# Altium PCB PCB2.PcbDoc (part 1 of 2)
Units mil, origin at the board's own origin, x right, y up, seen from the top; angles counter-clockwise.
Board outline 5110.83 x 3120.03 mil, 2 copper layers (Top Layer, Bottom Layer); 103 components, 47 nets, 239 pads, 142 vias.
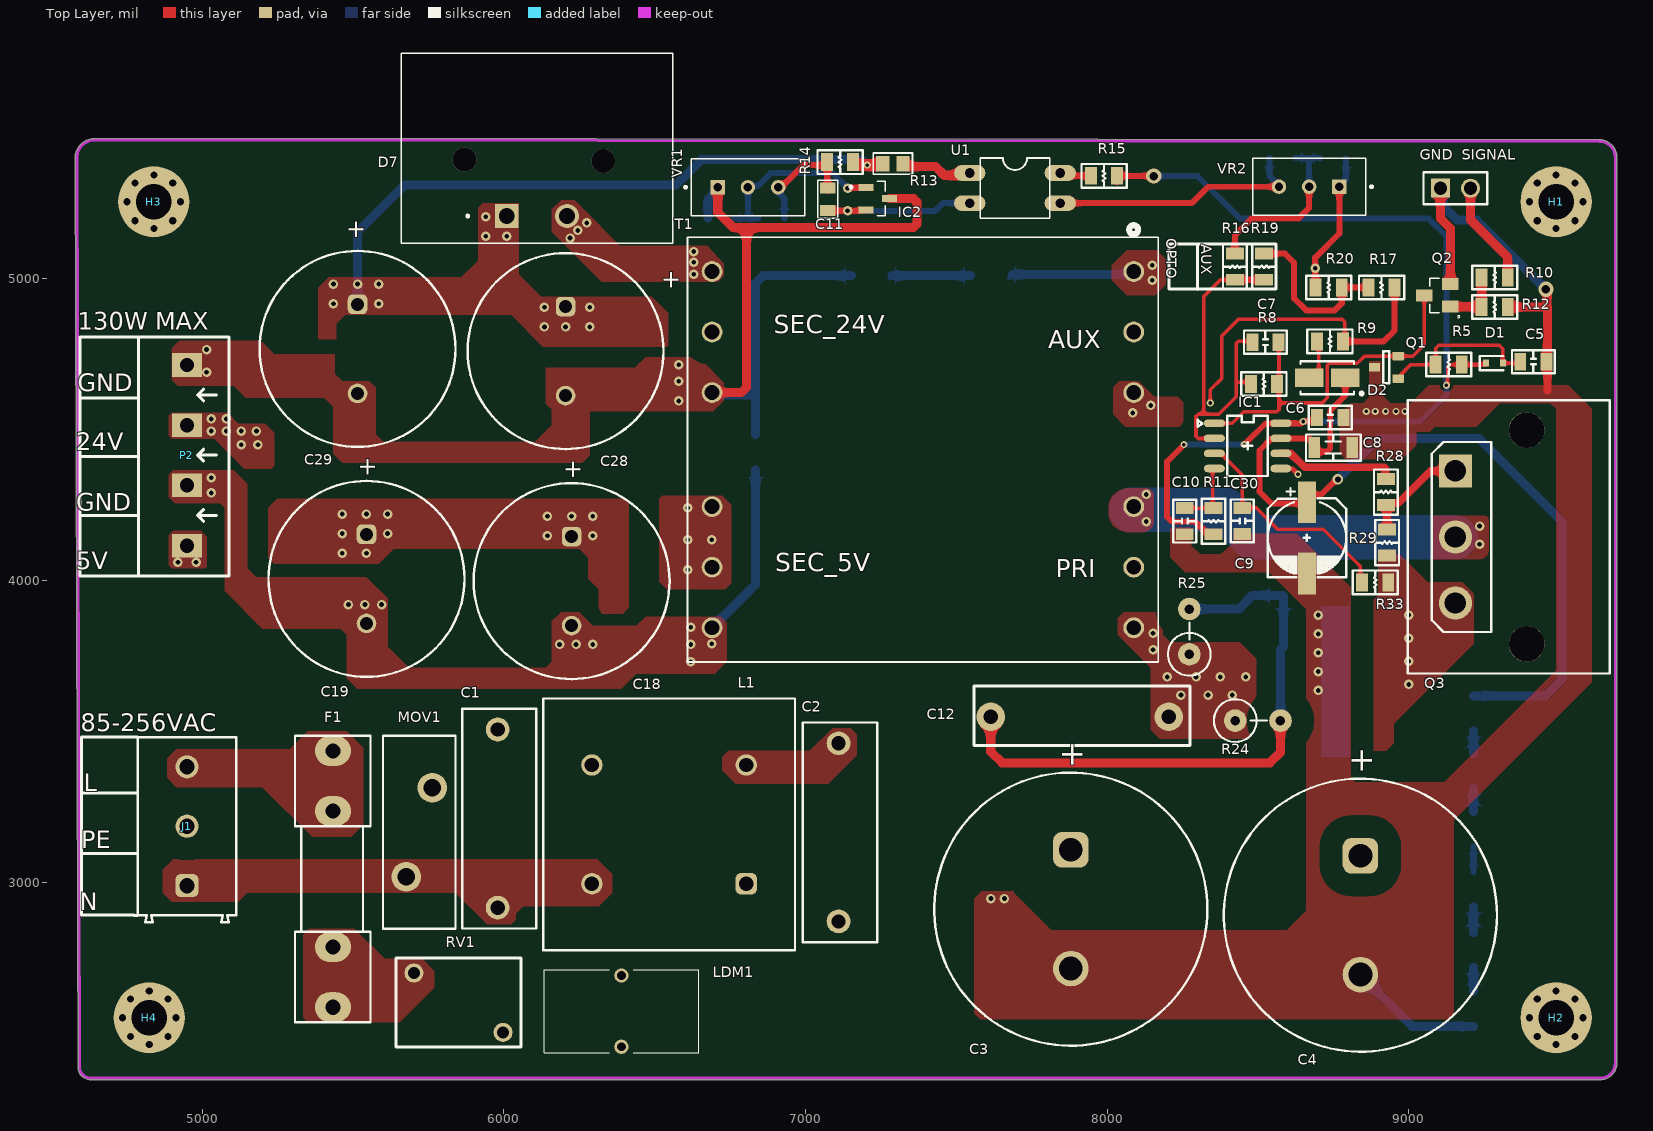
[diagram p0: Top Layer view]
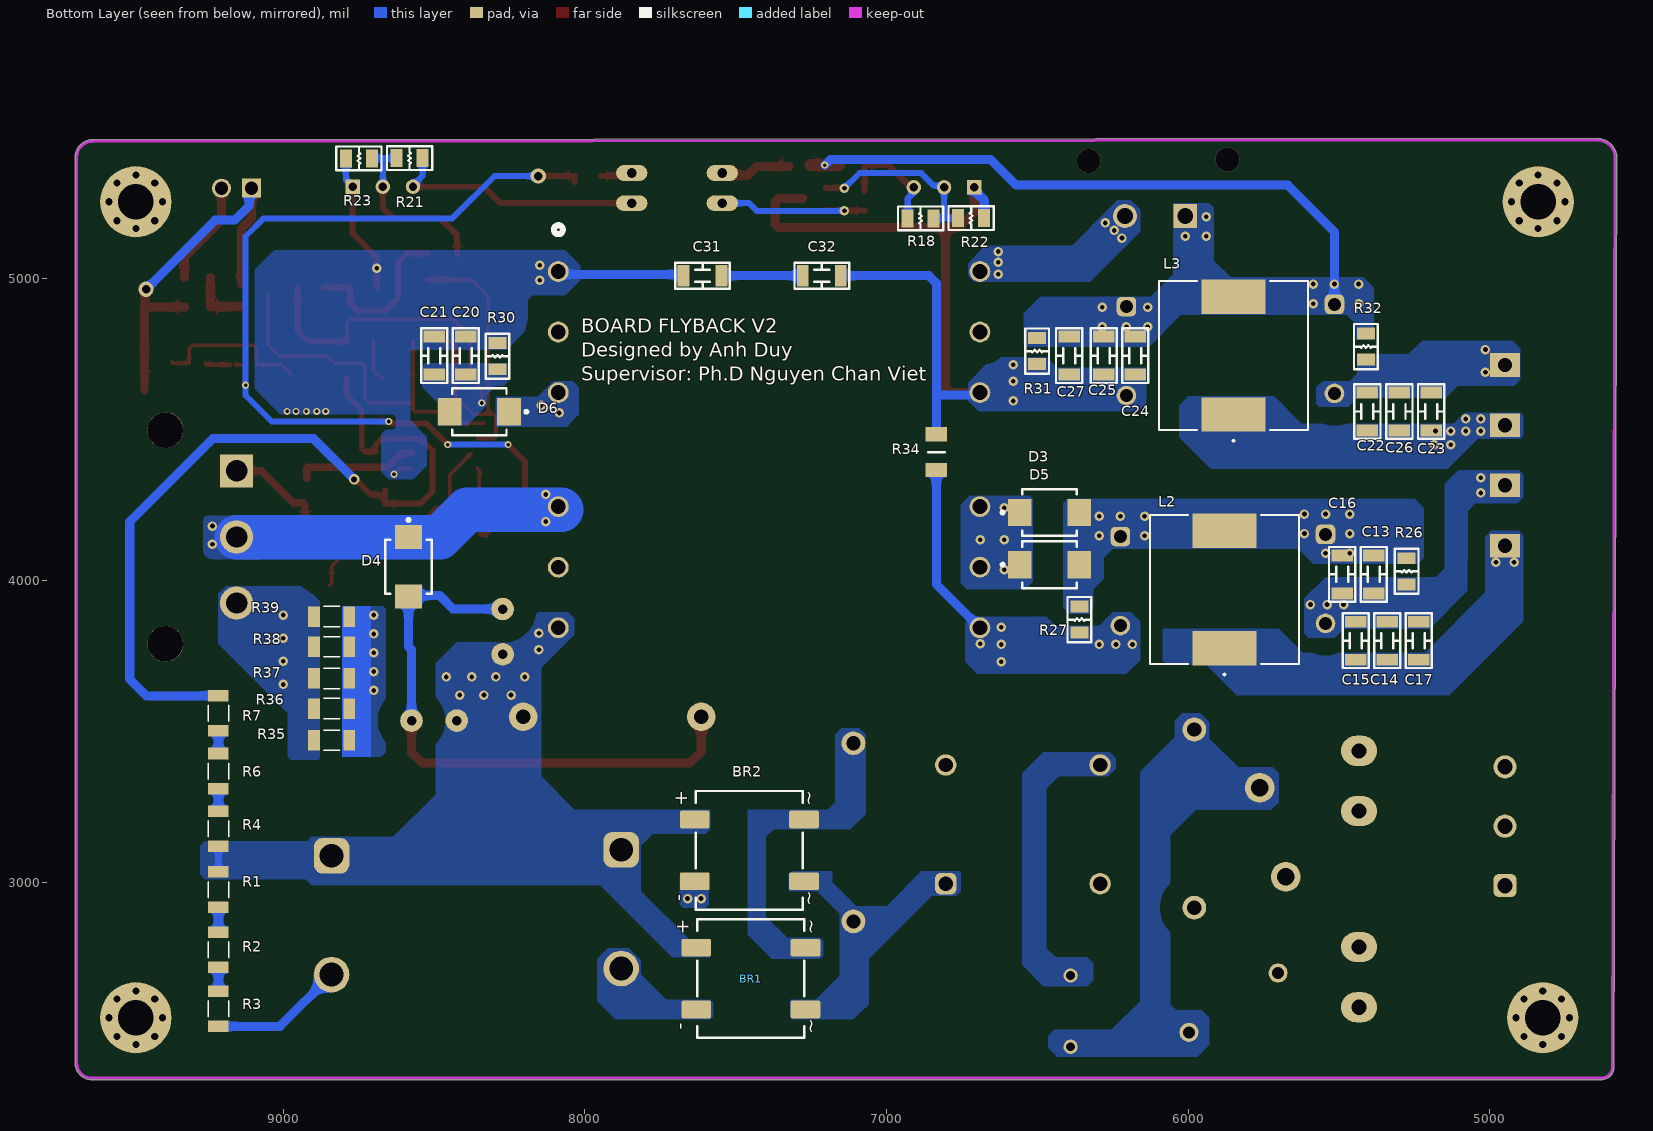
[diagram p1: Bottom Layer view, seen from below]
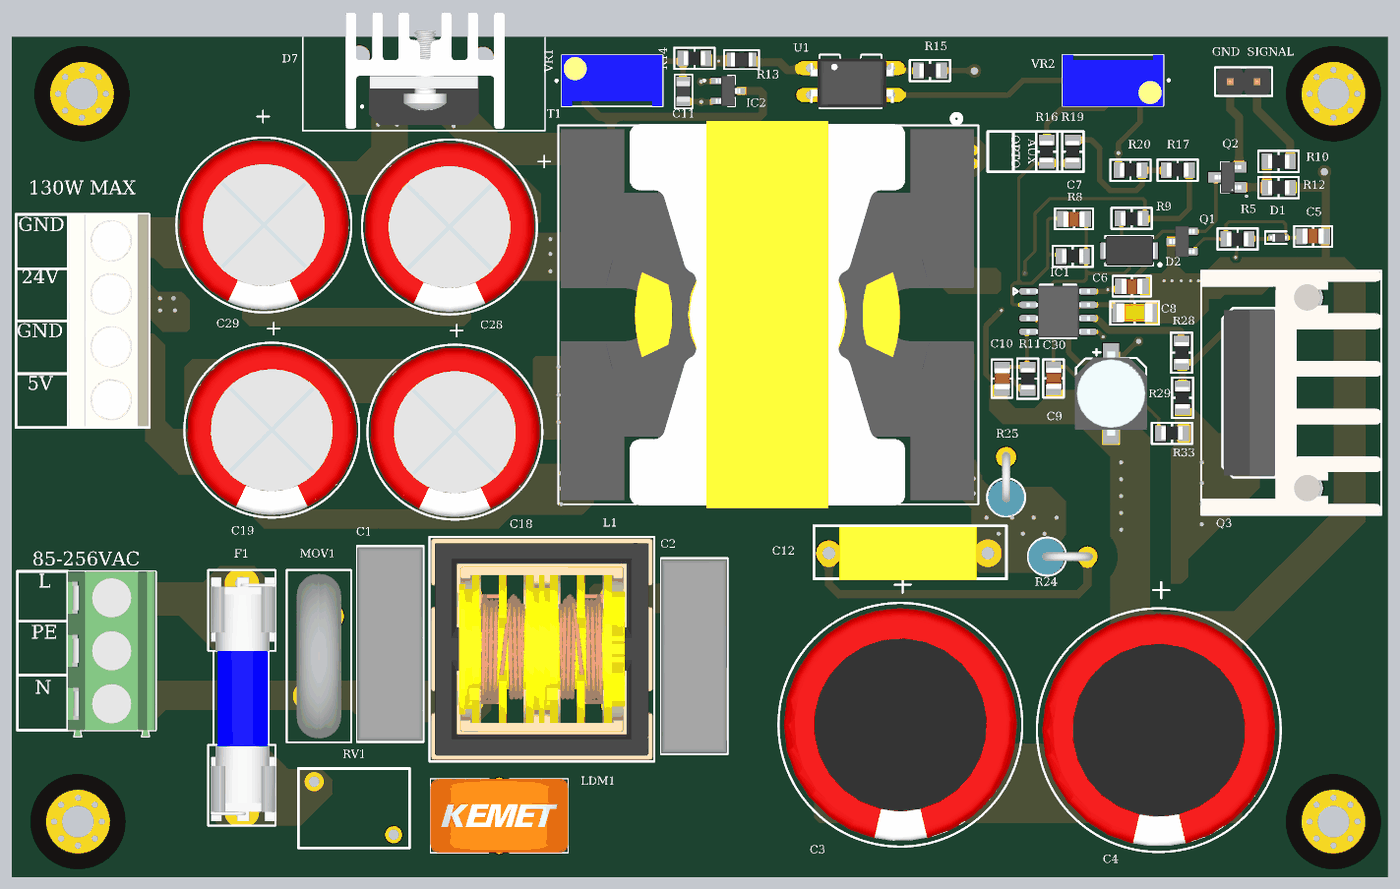
[diagram p3: 3D render of the assembled board from above, using the file's embedded part models]
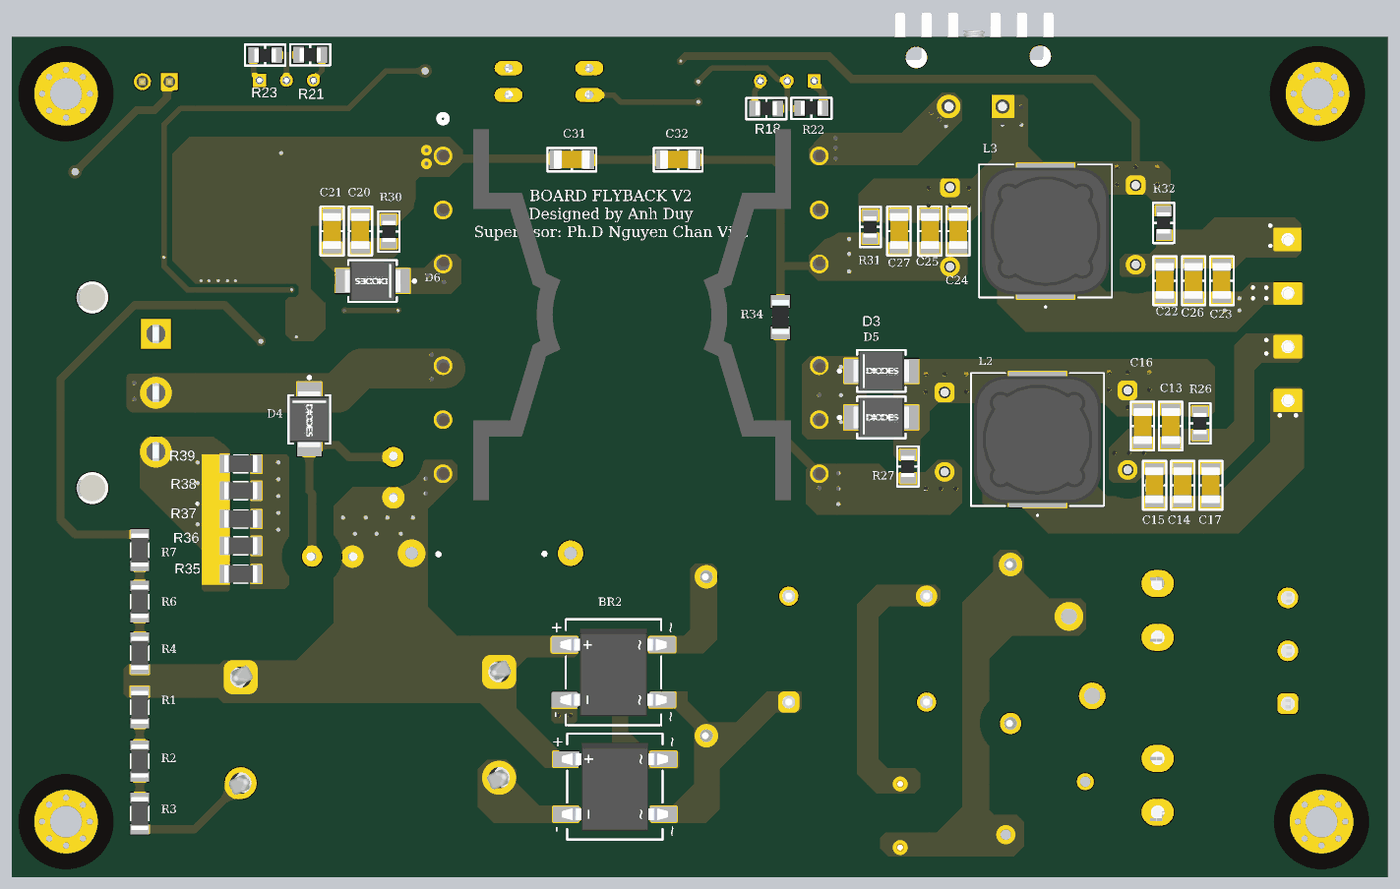
[diagram p4: 3D render of the assembled board from below, using the file's embedded part models]

## Layer stack, top to bottom
Top Solder: solder mask 0.4, Solder Resist, Dk 3.5
Top Layer: signal copper 1.4
Dielectric 1: dielectric 12.6, FR-4, Dk 4.8
Bottom Layer: signal copper 1.4
Bottom Solder: solder mask 0.4, Solder Resist, Dk 3.5

## Board outline
4588.97,2385.84 ccw(c4629.84,2385.86) 4629.84,2344.99 9635,2344.98 9635.06,2344.98 ccw(c9635,2400) 9690.02,2400 9690.01,2400.05 9690.01,5401.73 9690.07,5402.5 ccw(c9632.5,5402.5) 9646.16,5458.43 9642.5,5460.02 9634.94,5460.02 9631.8,5460.03 4645.01,5465.02 ccw(c4645,5399.26) 4579.25,5399.26 4579.95,5396.7

## Design rules (kind name [scope] priority, off if disabled: settings)
Clearance Clearance_1 [InNamedPolygon('NONET_L01_P-001')] p1: gap=10 ignorepadtopadclearanceinfootprint=FALSE except(74.8: THPad-Fill THPad-Poly THPad-Region)
Clearance [All] p2: gap=3 ignorepadtopadclearanceinfootprint=FALSE
ComponentClearance [All] p1: gap=10 collisioncheckmode=3 verticalgap=0 showdistances=FALSE
Height [All] p1: minheight=0 maxheight=2000 prefheight=500
PolygonConnect PolygonConnect_5 [All vs IsNamedPolygon('NONET_L01_P-001')] p1: connectstyle=Direct reliefconductorwidth=10 reliefentries=4 polygonreliefangle="90 Angle" airgapwidth=10
PolygonConnect PolygonConnect_4 [All vs IsNamedPolygon('Rshunt_1')] p2: connectstyle=Direct reliefconductorwidth=10 reliefentries=4 polygonreliefangle="90 Angle" airgapwidth=10
PolygonConnect PolygonConnect_3 [All vs IsNamedPolygon('Rshunt_1')] p3: connectstyle=Direct reliefconductorwidth=10 reliefentries=4 polygonreliefangle="90 Angle" airgapwidth=10
PolygonConnect PolygonConnect_2 [All vs IsNamedPolygon('Rshunt_1')] p4: connectstyle=Direct reliefconductorwidth=10 reliefentries=4 polygonreliefangle="90 Angle" airgapwidth=10
PolygonConnect PolygonConnect_1 [All vs IsNamedPolygon('Rshunt_1')] p5: connectstyle=Direct reliefconductorwidth=10 reliefentries=4 polygonreliefangle="90 Angle" airgapwidth=10
PolygonConnect [All] p6: connectstyle=Relief reliefconductorwidth=10 reliefentries=4 polygonreliefangle="90 Angle" airgapwidth=10
RoutingVias [All] p1: holewidth=28 width=50 viastyle="Through Hole" minholewidth=28 minwidth=50 maxholewidth=28 maxwidth=50
SolderMaskExpansion [All] p1: expansion=4 istentingtop=FALSE
Width [All] p1: maxlimit=196.85 minlimit=10 preferedwidth=10 minimp=50.000000 maximp=50.000000 favimp=50.000000
28 further rules are at their usual default settings.

## Classes and differential pairs
net class RTCT_NET: RT/CT

## Components (designator, comment, footprint, x,y, rotation, side; value= is the part's Value field where it differs from the comment)
BR1 "DBLS208GH" "DB SMD" 7450,2680 r90 bottom
BR2 "DBLS208GH" "DB SMD" 7455,3105 r90 bottom
C1 "R474I2470CKA2M" R474I2470CKA2M 5980,3505.55 r270 top
C2 "R474I2470CKA2M" R474I2470CKA2M 7110,3460 r270 top
C3 "82uF" WCAP-AI3H_D22H30 7880,2910 r90 top
C4 "82uF" WCAP-AI3H_D22H30 8840,2890 r90 top
C5 "GRM219R7YA105KA12D" "CAP 0805" 9413.31,4725 r0 top value="0805 1uF 35V"
C6 "CL21B104KBCNNNC" "CAP 0805" 8740,4540 r180 top value="0805 0.1uF 50V"
C7 "GRM2195C1H103JA01D" "CAP 0805" 8525,4790 r180 top value="0805 10nF"
C8 "C3216X7R1H475M160AC" "Cap 1206" 8750,4440.42 r0 top value="1206 4.7uF 50V"
C9 "EEE-FK1H470XL" C-50-47uf_alu 8662.6,4129.72 r0 top value="50V 47uF_6.3pi/smd"
C10 "GCM216R71H102KA37D" "CAP 0805" 8257.33,4196.26 r270 top value="0805 10nF"
C11 "10nF 0805" CAP_0805 7075,5262.49 r270 top value="8.2 uF, 50 VDC"
C12 "CBB22-334" "Cap 1600v" 7614.45,3547.58 r0 top
C13 "C3216X7R1H475M160AC" "Cap 1206" 5385.5,4020 r270 bottom value="1206 10uF 50V"
C14 "C3216X7R1H475M160AC" "CAP 1206" 5340.5,3800 r90 bottom value="1206 10uF 50V"
C15 "C3216X7R1H475M160AC" "CAP 1206" 5445,3800 r90 bottom value="1206 10uF 50V"
C16 "C3216X7R1H475M160AC" "Cap 1206" 5490,4020 r270 bottom value="1206 10uF 50V"
C17 "C3216X7R1H475M160AC" "Cap 1206" 5236,3800 r90 bottom value="1206 10uF 50V"
C18 "2700uF" WCAP-ATG8_D16H25 6225,3997.64 r90 top
C19 "2700uF" WCAP-ATG8_D16H25 5545,4005 r90 top
C20 "C3216X7R1H475M160AC" "Cap 1206" 8395,4745 r90 bottom value="1206 4.7uF 50V"
C21 "C3216X7R1H475M160AC" "Cap 1206" 8500,4745 r90 bottom value="1206 4.7uF 50V"
C22 "C3216X7R1H475M160AC" "CAP 1206" 5406.25,4560 r90 bottom value="1206 10uF 50V"
C23 "C3216X7R1H475M160AC" "CAP 1206" 5195,4560 r90 bottom value="1206 10uF 50V"
C24 "C3216X7R1H475M160AC" "Cap 1206" 6175.5,4745 r270 bottom value="1206 10uF 50V"
C25 "C3216X7R1H475M160AC" "Cap 1206" 6280,4745 r270 bottom value="1206 10uF 50V"
C26 "C3216X7R1H475M160AC" "Cap 1206" 5300,4560 r90 bottom value="1206 10uF 50V"
C27 "C3216X7R1H475M160AC" "CAP 1206" 6395,4745 r270 bottom value="1206 10uF 50V"
C28 "2700uF" WCAP-ATG8_D16H25 6205,4760 r90 top
C29 "2700uF" WCAP-ATG8_D16H25 5515.38,4767.36 r90 top
C30 "C0805C101J5RACTU" "CAP 0805" 8448.61,4197.12 r270 top
C31 "CC1206KKX7RCBB222" "Cap 1206" 7610,5010 r180 bottom value="1206 2.2nF 1kV"
C32 "CC1206KKX7RCBB222" "Cap 1206" 7215,5010 r180 bottom value="1206 2.2nF 1kV"
D1 "PMEG3010EB,115" "SOD 523" 9284.47,4720.29 r90 top
D2 "1 A , 1.3V" "SMA (DO-214AC)" 8730,4671.72 r180 top
D3 "S3MB-13-F" "DIODE 1kV 3A" 6460,4225 r180 bottom value=40pF
D4 "S3MB-13-F" "DIODE 1KV 3A" 8585,4045 r270 bottom value=40pF
D5 "S3MB-13-F" "DIODE 1KV 3A" 6460,4052 r180 bottom value=40pF
D6 "S3MB-13-F" "DIODE 1KV 3A" 8350,4559.01 r0 bottom value=40pF
D7 "STPSC10H065D" TO508P1016X470X2286-2 6110,5207.77 r0 top
F1 "FUSE" FUSE 5433.59,3010 r270 top
"GND  SIGNAL" "61300211121" 61300211121 9155,5300 r0 top (schematic designator P1)
H1 "Mounting Hole 3mm" "3mm with via" 9488.79,5255 r0 top
H2 "Mounting Hole 3mm" "3mm with via" 9488.79,2550 r0 top
H3 "Mounting Hole 3mm" "3mm with via" 4840,5255 r0 top
H4 "Mounting Hole 3mm" "3mm with via" 4825,2550 r0 top
IC1 "UC3843AD8TR" UC3843_SOIC8 8465.75,4445.7 r0 top
IC2 "KA431AZBU" SOT23-3 7240,5265.41 r0 top
J1 "16A, 300V" 691213710003 4950,3185 r90 top
L1 "10mH" WE-FC_ET20H 6548.08,3191.15 r180 top
L2 "22uH 6.7A" IND_CDRH127/LDNP-470MC_SUM 5880,3970 r90 bottom
L3 "22uH 6.7A" IND_CDRH127/LDNP-470MC_SUM 5850,4745 r90 bottom
LDM1 "SN5-300" SN5300 6390,2453.78 r0 top
MOV1 "MOV-14D751K" B72214S2271K101 5720,3165 r270 top
P2 "Domino 4" "DOMINO 4 -5mm" 4950,4115 r90 top
Q1 "MMBT2907A" "SOT 23 3" 8926.1,4706.1 r90 top
Q2 "MMBT2222A" MMBT-SOT23 9095,4945 r90 top
Q3 "SIHG11N80AE-GE3" "N-CH MOSFET 1K2V" 9155,4143.9 r270 top
R1 "330K 1206" RESC3116X65N 9215,2975 r90 bottom
R2 "330k 1206" RESC3116X65N 9215,2775 r90 bottom
R3 "330k 1206" RESC3116X65N 9215,2580 r90 bottom
R4 "330K 1206" RESC3116X65N 9215,3176.39 r270 bottom
R5 "RC0805FR-0733KL" "RES 0805" 9132.59,4711.54 r180 top value="0805 33k"
R6 "330K 1206" RESC3116X65N 9215,3367.78 r270 bottom
R7 "330K 1206" RESC3116X65N 9215,3559.16 r90 bottom
R8 "RC0805FR-1310KL" "RES 0805" 8520,4655 r0 top value="0805 10k"
R9 "RC0805FR-0722RP" "RES 0805" 8739.01,4788.18 r180 top value="0805 22R"
R10 "RC0805FR-1312KL" "Res 0805" 9285,5000 r180 top value="0805 2.7k"
R11 "RC0805FR-1312KL" "RES 0805" 8356.91,4196.3 r270 top value="0805 2.7k"
R12 "RC0805FR-1312KL" "Res 0805" 9285,4910 r0 top value="0805 2.7k"
R13 "2K Ohm 0805" RESISTOR_0805 7290,5381.76 r180 top value="4.53 KOhm, 1/8W"
R14 "RK73B2ATTD104J" "Res 0805" 7115,5390.58 r0 top value="0805 10k"
R15 "RK73B2ATTD104J" "Res 0805" 7990,5345 r0 top value="0805 10k"
R16 "RC0805FR-1310KL" "RES 0805" 8420,5040 r90 top value="0805 0k"
R17 "RC0805FR-1310KL" "RES 0805" 8910,4975 r0 top value="0805 33k"
R18 "RK73B2ATTD104J" "Res 0805" 6887.49,5203.94 r180 bottom value="0805 10k"
R19 "RC0805FR-1310KL" "RES 0805" 8516.62,5040 r90 top value="0805 0k"
R20 "RC0805FR-1310KL" "RES 0805" 8735,4975 r0 top value="0805 12k"
R21 "RK73B2ATTD104J" "Res 0805" 8581.69,5396.06 r0 bottom value="0805 10k"
R22 "RK73B2ATTD104J" "Res 0805" 6720,5205 r180 bottom value="0805 10k"
R23 "RK73B2ATTD104J" "Res 0805" 8749.18,5395 r0 bottom value="0805 10k"
R24 "Res" RES-1WD 8490,3535 r0 top
R25 "Res" RES-1WD 8272.77,3820 r90 top
R26 "RC0805FR-1310KL" "RES 0805" 5280,4030 r90 bottom value="0805 10k"
R27 "RC0805FR-1310KL" "RES 0805" 6365,3870 r90 bottom value="0805 10k"
R28 "RC0805FR-0722RP" "RES 0805" 8928.35,4292.75 r270 top value="0805 22R"
R29 "RC0805FR-1310KL" "RES 0805" 8924.41,4125.26 r90 top value="0805 10k"
R30 "RC0805FR-1310KL" "RES 0805" 8286.06,4743.31 r270 bottom value="0805 10k"
R31 "RC0805FR-1310KL" "RES 0805" 6505,4760 r90 bottom value="0805 10k"
R32 "RC0805FR-1310KL" "RES 0805" 5415,4775 r90 bottom value="0805 10k"
R33 "RC0805FR-07470RP" "RES 0805" 8888.98,3997.14 r0 top value="0805 470R"
R34 "RES_1206_0R" "RES 1206" 6835,4425 r270 bottom value="1206 0R"
R35 "RC1206JR-0713RL" RESC3116X65N 8840,3470 r0 bottom
R36 "RC1206JR-0713RL" RESC3116X65N 8840,3575 r0 bottom
R37 "RC1206JR-0713RL" RESC3116X65N 8840,3675 r0 bottom
R38 "RC1206JR-0713RL" RESC3116X65N 8840,3780 r0 bottom
R39 "RC1206JR-0713RL" RESC3116X65N 8840,3880 r0 bottom
RV1 "NTC20D-9" NTC20D9 5850,2600 r0 top
T1 "PQ35" CPV-PQ3535-1S-12P-Z_FXC 8088.4,5024.04 r270 top
U1 "PC817" PC817 7679.85,5280.49 r270 top
VR1 "3296W-1-250" TRIM_3296W-1-250 6809.56,5303.2 r0 top
VR2 "3296W-1-250" TRIM_3296W-1-250 8670,5305 r180 top

## Footprints (in the part's own frame and the unit in brackets; to place one, negate y for a bottom-side part, rotate by r counter-clockwise, add the part's x,y. Pads: shape width x height; smd on the part's side, far side on the other; paste and mask are expansions set on the pad)
"3mm with via" [mm]
  round 6 hole 3 mask+1.5: 0(0,0)
61300211121 [mm] "Pin Header, pitch 2.54 mm, THT, Vertical, single row, 2p"
  rect 1.6x1.6 hole 1.1: 1(-1.27,0)
  round 1.6 hole 1.1: 2(1.27,0)
  silkscreen extent -2.69,-1.35 2.69,1.35, body extent -2.54,-1.27 2.54,1.27, height 8.57
691213710003 [mm] "5,00mm - modular - green - Horizontal entry with rising cage clamp -  10,0mm height - 03p"
  rrect50% 1.95x1.95 hole 1.3: 1(-5,0)
  round 1.95 hole 1.3: 2(0,0) 3(5,0)
  silkscreen extent -8.1,-4.15 7.5,4.15, body extent -8.1,-4.15 7.5,4.15, height 10.05
B72214S2271K101 [mm] "430 V 6 kA Varistor 1 Circuit Through Hole Disc 14mm"
  round 2.5 hole 1.5: 1(-3.75,1.1) 2(3.75,-1.1)
  silkscreen extent -8.13,-3.05 8.13,3.05, body extent -7.75,-2.1 7.75,2.1, height 18.5
C-50-47uf_alu [mm]
  rect 1.5x3.5 smd: 1(0,3.284) 2(0,-2.716)
  silkscreen extent -3.3,-3.02 3.31,4.48, body extent -3.4,-3.69 3.4,4.26, height 7.7
"CAP 0805" [mm] "0805 (2012)"
  rect 1x1.47 smd: 1(-1.1,0) 2(1.1,0)
  silkscreen extent -1.8,-0.98 1.8,0.98, body extent -1,-0.69 1,0.76, height 1.28
"Cap 1206" [mm]
  rect 1x1.8 smd: 1(-1.6,0) 2(1.6,0)
  silkscreen extent -2.3,-1.1 2.3,1.1, body extent -1.7,-0.85 1.7,0.9, height 1.8
"CAP 1206" [mm]
  rect 1x1.8 smd: 1(-1.6,0) 2(1.6,0)
  silkscreen extent -2.3,-1.1 2.3,1.1, body extent -1.7,-0.85 1.7,0.9, height 1.8
"Cap 1600v" [mm]
  round 2.4 hole 1.2: 1(0,0) 2(15,-0.001)
  silkscreen extent -1.42,-2.41 16.76,2.59, body extent 0.97,-2.56 13.97,2.44, height 11.5
CAP_0805 [mm]
  rect 0.9x1.3 smd: 1(-0.975,-0.025) 2(0.925,-0.025)
  silkscreen extent -1.63,-0.86 1.57,0.81, body extent -1.03,-0.65 0.97,0.6, height 0.6
CPV-PQ3535-1S-12P-Z_FXC [mil]
  round 69 / inner round 60 / far side round 69 hole 49 paste-99999 mask+0: 1(0,0) 2(200.79,0) 3(401.57,0) 4(779.53,0) 5(980.31,0) 6(1181.1,0) 7(0,-1397.64) 8(200.79,-1397.64) 9(401.58,-1397.64) 10(779.53,-1397.64) 11(980.31,-1397.64) 12(1181.1,-1397.64)
  silkscreen extent -153,-1479 1295,82, body extent -130,-1470 1310,65, height 1370
"DB SMD" [mm]
  rrect20% 1.5x2.5 smd: +(2.6,4.6) -(-2.6,4.6) ~1(-2.6,-4.6) ~2(2.6,-4.6)
  silkscreen extent -5,-4.5 5,4.5, body extent -4.16,-5.02 4.16,5.02, height 2.93
"DIODE 1kV 3A" [mm]
  rect 2x2.3 smd paste+0: A(-2.5,0) K(2.5,0)
  silkscreen extent -4.08,-1.97 2.28,1.97, body extent -2.66,-1.81 2.64,1.81, height 2.5
"DIODE 1KV 3A" [mm]
  rect 2x2.3 smd paste+0: A(-2.5,0) K(2.5,0)
  silkscreen extent -4.07,-1.97 2.28,1.97, body extent -2.66,-1.81 2.64,1.81, height 2.5
"DOMINO 4 -5mm" [mm]
  rect 2x2.5 hole 1.2: 1(0,0) 2(5.08,0) 3(10.147,0) 4(15.215,0)
  silkscreen extent -2.54,-3.53 17.58,4.09, body extent -2.43,-3.46 17.57,4.04, height 10
FUSE [mil] "De Fuse"
  oval 100x120 hole 50: 1(-425,0) 1(-225,0) 2(225,0) 2(425,0)
  silkscreen extent -475,-125 475,125, body extent -448,-117 459,127, height 378
IND_CDRH127/LDNP-470MC_SUM [mil]
  rect 114x213 smd: 1(-195,0) 2(195,0)
  silkscreen extent -285,-247 247,247, body extent -236,-236 236,236, height 315
MMBT-SOT23 [mm]
  rect 1x1.4 smd: 1(-0.95,-1.1) 2(0,1.1) 3(0.95,-1.1)
  silkscreen extent -1.9,-1.9 1.45,0.65, body extent -1.45,-1.3 1.45,1.2, height 1.1
"N-CH MOSFET 1K2V" [mm]
  round 3 hole 3 unplated: 4(-9,6) 4(9,6)
  round 2.8 hole 1.8: D(0,0) S(5.56,0)
  rect 2.8x2.8 hole 1.8: G(-5.56,0)
  silkscreen extent -11.5,-4 11.5,13, body extent -11.5,-4 11.5,13, height 25
NTC20D9 [mm]
  round 1.6 hole 1 paste-2539.97 mask+0.1: 1(-3.75,2.5) 2(3.75,-2.5)
  silkscreen extent -5.25,-3.75 5.25,3.75
PC817 [mil]
  oval 52x104 hole 32: 1(-70,-135) 2(30,-135) 3(30,165) 4(-70,165)
  silkscreen extent -120,-100 80,130, body extent -106,-135 76,175, height 179
R474I2470CKA2M [mm]
  round 2 hole 1.2: 1(0,0) 2(15,0)
  silkscreen extent -1.75,-3 16.75,3.25, body extent -1.65,-3 16.65,3.21, height 17.6
"RES 0805" [mm] "Resistor 2.0 x 1.2 mm (LxW typ)"
  rect 1x1.5 smd: 1(-1.1,-0.1) 2(1.1,-0.1)
  silkscreen extent -1.9,-1.1 1.9,0.9, body extent -1,-0.7 1,0.55, height 0.6
"Res 0805" [mm] "Resistor 2.0 x 1.2 mm (LxW typ)"
  rect 1x1.5 smd: 1(-1.1,-0.1) 2(1.1,-0.1)
  silkscreen extent -1.9,-1.1 1.9,0.9, body extent -1,-0.7 1,0.55, height 0.6
"RES 1206" [mm]
  rect 1.2x1.8 smd: 1(-1.5,0) 2(1.5,0)
  silkscreen extent 0,-0.7 0,0.7, body extent -1.6,-0.8 1.6,0.8, height 0.75
RES-1WD [mil]
  round 75 hole 31.5: 1(-65,0) 2(85,0)
  silkscreen extent -136,-71 40,71, body extent -135,-67 105,67, height 498
RESC3116X65N [mm]
  rect 0.97x1.73 smd: 1(-1.48,0) 2(1.48,0)
  silkscreen extent -0.67,-0.85 0.67,0.85, body extent -1.55,-0.8 1.55,0.8, height 0.65
RESISTOR_0805 [mm] "Chip Resistor, 2-Leads, Body 2,00x1,20mm, IPC Medium Density"
  rect 1.1x1.3 smd: 1(-0.85,0) 2(0.85,0)
  silkscreen extent -1.65,-0.9 1.65,0.9, body extent -1,-0.65 1,0.65, height 0.45
"SMA (DO-214AC)" [mm] "Molded Diode, 2-Leads, Body 4.25x2.67mm, IPC Medium Density"
  rect 2.4x1.55 smd: 1(-1.525,0) 2(1.525,0)
  silkscreen extent -3.03,-1.4 2.25,1.45, body extent -2.47,-1.4 2.47,1.4, height 2.29
SN5300 [mm]
  round 1.2 hole 0.75: 1(0,0) 2(0,6)
  silkscreen extent -6.5,-0.5 6.5,6.5, body extent -6.5,-0.5 6.5,6.5, height 11.5
"SOD 523" [mm]
  rect 0.6x0.5 smd: A(0,-0.7) K(0,0.7)
  silkscreen extent -0.6,-0.75 0.6,1.25, body extent -0.4,-0.8 0.4,0.8, height 0.65
SOT23-3 [mm]
  rect 1.26x0.59 smd: 1(-0.98,-0.95) 2(-0.98,0.95) 3(0.98,0)
  silkscreen extent -2.35,-1.45 0.65,1.45, body extent -1.15,-1.45 1.15,1.45, height 1.1
"SOT 23 3" [mm]
  rrect10% 0.7x0.95 smd: B(-0.95,-1) C(0,1) E(0.95,-1)
  silkscreen extent -1.35,-0.25 1.35,0.25, body extent -1.45,-1.2 1.45,1.2, height 1.11
TO508P1016X470X2286-2 [mm]
  rect 2.01x2.01 / inner round 2.01 / far side rect 2.01x2.01 hole 1.34: 1(-2.54,0)
  round 2.01 hole 1.34: 2(2.54,0)
  silkscreen extent -11.43,-2.29 11.43,13.72, body extent -7.38,-2.11 7.62,8.89, height 20
TRIM_3296W-1-250 [mm]
  rect 1.218x1.218 / inner round 1.218 / far side rect 1.218x1.218 hole 0.71: 1(-2.54,0)
  round 1.218 hole 0.71: 2(0,0) 3(2.54,0)
  silkscreen extent -5.35,-2.41 4.76,2.42, body extent -4.76,-2.41 4.76,2.42, height 11.55
UC3843_SOIC8 [mil] "SOIC8"
  oval 70x25 smd: 1(-109.96,75.16) 2(-109.96,25.16) 3(-109.96,-24.84) 4(-109.96,-74.84) 5(110.51,-74.84) 6(110.51,-24.84) 7(110.51,25.16) 8(110.51,75.16)
  silkscreen extent -165,-100 67,100, body extent -117,-96 119,96, height 69
WCAP-AI3H_D22H30 [mm] "Aluminium Electrolytic Snap-In Capacitors, 22x30mm"
  rrect50% 3x3 hole 2: 1(5,0)
  round 3 hole 2: 2(-5,0)
  silkscreen extent -11.5,-11.5 11.5,11.5, body extent -10.96,-11 11,11, height 31.09
WCAP-ATG8_D16H25 [mm] "Aluminum Electrolytic Capacitors, 16x25mm"
  rrect50% 1.65x1.65 hole 1.1: 1(3.75,0)
  round 1.65 hole 1.1: 2(-3.75,0)
  silkscreen extent -8.25,-8.25 8.25,8.25, body extent -7.99,-8 8,8, height 25.31
WE-FC_ET20H [mm] "Common Mode Power Line Choke, 4-Leads, body 21.2x21.2mm"
  rrect50% 1.8x1.8 hole 1.2: 1(-6.5,5)
  round 1.8 hole 1.2: 2(6.5,5) 3(6.5,-5) 4(-6.5,-5)
  silkscreen extent -10.6,-10.6 10.6,10.6, body extent -10.45,-10.45 10.45,10.45, height 17.54
